# Altium PCB RaspberryHub.PcbDoc (part 2 of 2)
Units mm, origin at the board's own origin, x right, y up, seen from the top; angles counter-clockwise.
Board outline 210.48 x 102.43 mm, 2 copper layers (Top Layer, Bottom Layer); 158 components, 164 nets, 576 pads, 179 vias.
Unrouted connection lines stored in the file: 31.
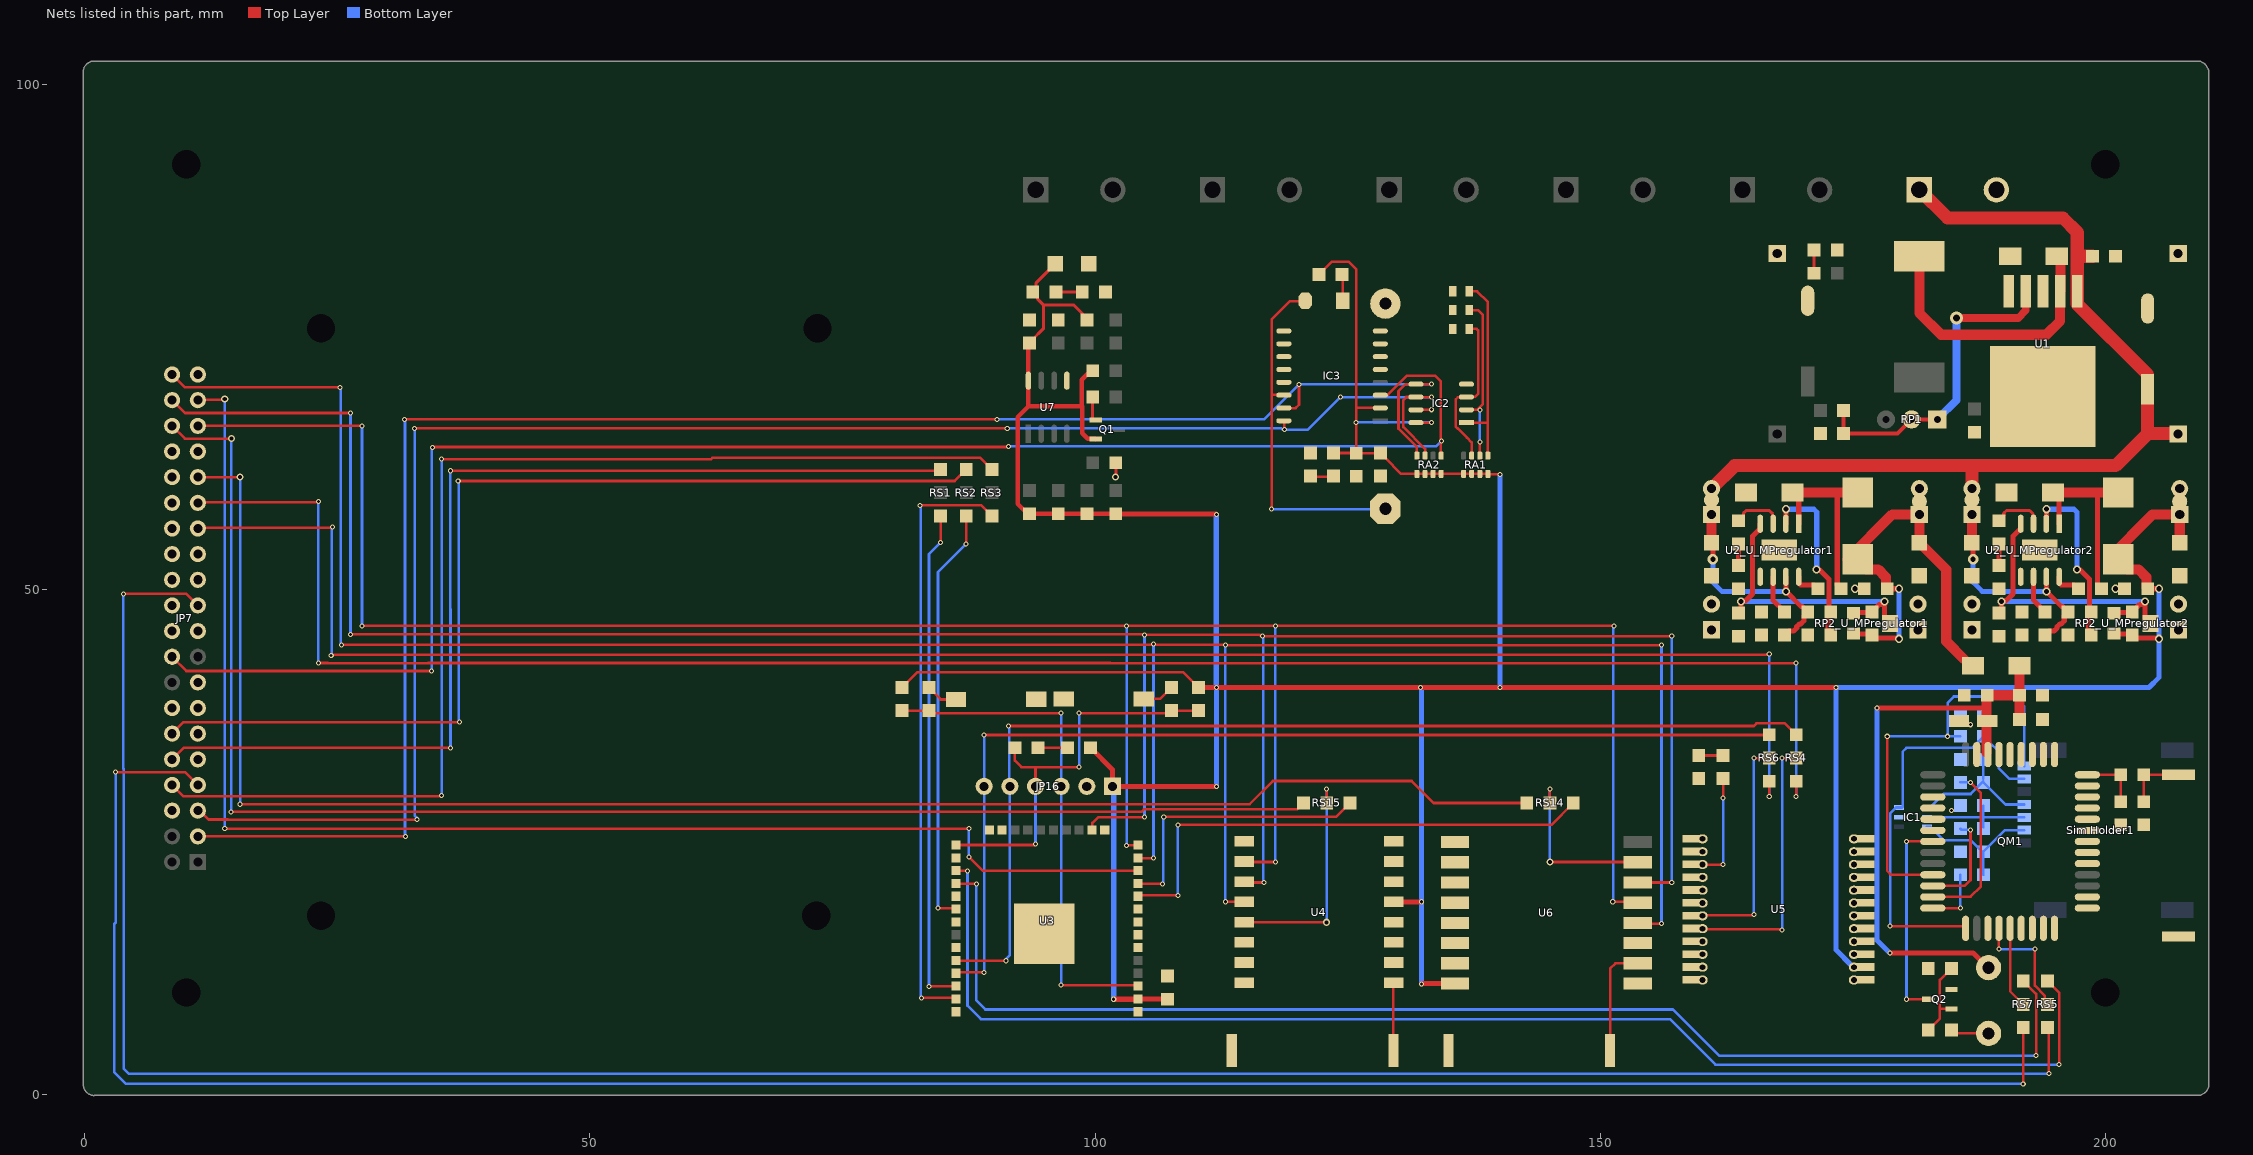
[diagram p2: the nets of this part, all layers, seen from the top]

## Via types
v1: diameter 0.5, hole 0.3, Top Layer to Bottom Layer, tented both sides, 131 vias
v2: diameter 0.9, hole 0.5, Top Layer to Bottom Layer, tented both sides, 20 vias
v3: diameter 0.8, hole 0.5, Top Layer to Bottom Layer, tented both sides, 16 vias
v4: diameter 0.7, hole 0.4, Top Layer to Bottom Layer, tented both sides, 9 vias
v5: diameter 1, hole 0.5, Top Layer to Bottom Layer, tented both sides, 2 vias
v6: diameter 1.27, hole 0.711, Top Layer to Bottom Layer, tented both sides, 1 vias

## Nets (pads, with @x,y where several pads share a name; then routed paths per layer and width w, separated by ;. In a path a pad name is that pad's centre, name@x,y a point inside that pad or via, vN(x,y) a via of type N, cw(c..) or ccw(c..) an arc to the next point about the centre after c; other vN are vias at no path point) (continued)
+12: C1.2 C6_U_MPregulator1.1 C6_U_MPregulator2.1 C7_U_MPregulator1.2 C7_U_MPregulator2.2 E1.1 JP3.1 JP8.1 JP12_U_MPregulator1.1 JP12_U_MPregulator1.2 JP12_U_MPregulator2.1 JP12_U_MPregulator2.2 R4_U_MPregulator1.2 R4_U_MPregulator2.2 TP1.1 TP3_U_MPregulator1.1 TP3_U_MPregulator2.1 U1.1 U2_U_MPregulator1.7 U2_U_MPregulator2.7 | length 142.4
  Top Layer w0.5: C6_U_MPregulator1.1@161.036,54.61 161.163,54.483 v5(161.163,52.959) ; C7_U_MPregulator1.2@168.275,45.466 168.66,45.851 169.168,45.851 169.476,46.159 169.476,46.287 169.74,46.551 169.868,46.551 170.176,46.859 170.176,47.367 R4_U_MPregulator1.2@170.561,47.752 170.049,48.264 169.922,48.264 v3(168.402,49.784) U2_U_MPregulator1.7@168.402,51.223 U2_U_MPregulator1.7@168.412,51.213 ; C6_U_MPregulator2.1@186.817,54.61 186.944,54.483 v5(186.944,52.959) ; C7_U_MPregulator2.2@194.056,45.466 194.441,45.851 194.949,45.851 195.257,46.159 195.257,46.287 195.521,46.551 195.649,46.551 195.957,46.859 195.957,47.367 R4_U_MPregulator2.2@196.342,47.752 195.83,48.264 195.703,48.264 v3(194.183,49.784) U2_U_MPregulator2.7@194.183,51.223 U2_U_MPregulator2.7@194.193,51.213
  Top Layer w1: C6_U_MPregulator1.1@161.036,54.61 JP12_U_MPregulator1.1@161.036,57.404 TP3_U_MPregulator1.1@161.036,58.835 JP12_U_MPregulator1.2@161.036,59.944 ; C6_U_MPregulator2.1@186.817,54.61 JP12_U_MPregulator2.1@186.817,57.404 TP3_U_MPregulator2.1@186.817,58.835 JP12_U_MPregulator2.2@186.817,59.944
  Top Layer w1.3: JP12_U_MPregulator1.2@161.036,59.944 163.322,62.23 176.022,62.23 186.817,62.23 ; JP3.1@181.61,89.535 184.404,86.741 195.834,86.741 197.251,85.324 197.251,81.411 U1.1@197.251,79.502 197.251,78.212 204.216,71.247 E1.1@204.216,69.787 204.216,65.405 ; JP12_U_MPregulator2.2@186.817,59.944 186.817,62.23 ; 197.251,82.962 C1.2@198.755,82.962 ; JP8.1@207.236,65.356 207.188,65.405 204.216,65.405 ; 186.817,62.23 201.041,62.23 204.216,65.405
  Bottom Layer w0.5: v5(161.163,52.959) 161.163,50.673 162.052,49.784 v3(168.402,49.784) ; v5(186.944,52.959) 186.944,50.673 187.833,49.784 v3(194.183,49.784)
ANA: E4.1 U6.10 | length 11.1
  Top Layer w0.254: E4.1@151.002,4.318 151.002,12.445 151.511,12.954 U6.10@153.736,12.954
ANT: E3.1 U4.9 | length 6.7
  Top Layer w0.254: E3.1@129.539,4.318 129.539,10.999 U4.9@129.574,11.034
CTS: QM1.22
DBG_RXD: QM1.38
DBG_TXD: QM1.39
DCD: QM1.21
DTR: QM1.19
EN: JP16.3 R10.1 R12.2 U3.3 | length 50.4
  Top Layer w0.254: R10.1@80.899,37.973 R12.2@83.566,37.973 83.823,37.716 v1(96.647,37.716) ; v1(96.647,10.795) 104.172,10.795 U3.3@104.265,10.702
  Bottom Layer w0.254: v1(96.647,10.795) JP16.3@96.647,30.48 v1(96.647,37.716)
ESP_DE: RS2.2 U3.30 | length 41.8
  Top Layer w0.254: v1(84.455,18.415) 86.138,18.415 U3.30@86.231,18.322 ; v1(87.249,54.483) RS2.2@87.249,57.252
  Bottom Layer w0.254: v1(84.455,18.415) 84.455,51.689 v1(87.249,54.483)
ESP_DI: RS3.2 U3.37 | length 59.8
  Top Layer w0.254: v1(82.677,58.293) 88.748,58.293 RS3.2@89.789,57.252 ; v1(82.804,9.525) 86.138,9.525 U3.37@86.231,9.432
  Bottom Layer w0.254: v1(82.677,58.293) 82.74,58.229 82.74,9.588 v1(82.804,9.525)
ESP_LORA_SS: RS15.2 U3.11 | length 28.1
  Top Layer w0.254: U3.11@104.265,20.862 104.299,20.828 v1(106.68,20.828) ; v1(106.807,27.432) 106.822,27.447 123.865,27.447 RS15.2@125.247,28.829
  Bottom Layer w0.254: v1(106.68,20.828) 106.743,20.892 106.743,27.368 v1(106.807,27.432)
ESP_RFM_SS: RS14.2 U3.10 | length 51
  Top Layer w0.254: U3.10@104.265,19.592 104.358,19.685 v1(108.204,19.685) ; v1(108.204,26.67) 145.186,26.67 RS14.2@147.345,28.829
  Bottom Layer w0.254: v1(108.204,19.685) v1(108.204,26.67)
ESP_RO: RS1.2 U3.36 | length 49.7
  Top Layer w0.254: v1(83.566,10.668) 86.197,10.668 U3.36@86.231,10.702 ; v1(84.709,54.61) RS1.2@84.709,57.252
  Bottom Layer w0.254: v1(83.566,10.668) 83.566,53.467 v1(84.709,54.61)
ESP_RXD0: JP16.5 RS4.2 U3.34 | length 107
  Top Layer w0.254: U3.34@86.231,13.242 86.265,13.208 v1(91.186,13.208) ; v1(91.44,36.449) 165.227,36.449 165.481,36.703 168.3,36.703 168.91,36.093 RS4.2@169.418,35.585
  Bottom Layer w0.254: v1(91.186,13.208) 91.186,13.383 91.567,13.764 JP16.5@91.567,30.48 91.504,30.543 91.504,36.386 v1(91.44,36.449)
ESP_RXD2: RS5.2 U3.27 | length 133.7
  Top Layer w0.254: U3.27@86.231,22.132 86.265,22.098 v1(87.376,22.098) ; RS5.2@194.31,11.201 195.453,10.058 v1(195.453,2.921)
  Bottom Layer w0.254: v1(87.376,22.098) 87.376,8.763 88.71,7.429 156.909,7.429 161.417,2.921 v1(195.453,2.921)
ESP_TXD0: JP16.6 RS6.2 U3.35 | length 104.1
  Top Layer w0.254: U3.35@86.231,11.972 86.324,12.065 v1(89.027,12.065) ; v1(89.027,35.56) 166.725,35.56 RS6.2@166.751,35.585
  Bottom Layer w0.254: v1(89.027,12.065) JP16.6@89.027,30.48 v1(89.027,35.56)
ESP_TXD2: RS7.2 U3.28 | length 128.7
  Top Layer w0.254: U3.28@86.231,20.862 86.265,20.828 v1(88.25,20.828) ; RS7.2@191.897,11.201 193.167,9.931 v1(193.167,3.81)
  Bottom Layer w0.254: v1(88.25,20.828) 88.25,9.286 89.154,8.382 157.226,8.382 161.798,3.81 v1(193.167,3.81)
GND: A1.1 A2.1 A3.1 Battery1.2 C1.1 C2.1 C4_U_MPregulator1.1 C4_U_MPregulator2.1 C5_U_MPregulator1.1 C5_U_MPregulator2.1 C6_U_MPregulator1.2 C6_U_MPregulator2.2 C7_U_MPregulator1.1 C7_U_MPregulator2.1 C9.2 C10.2 C11.2 C12.2 C13.1 C14.1 C15.1 C16.1 C17.1 C19.1 C20.1 C21.1 C22.1 C23.2 C24.1 D1_U_MPregulator1.1 D1_U_MPregulator2.1 E1.2 E2.2 E3.2 E4.2 E5.2 IC1.2 IC2.4 IC2.7 IC3.5 IC3.6 IC3.7 IC3.8 IC3.9 IC3.10 IC3.11 IC3.12 IC3.13 JP3.2 JP7.6 JP7.9 JP7.14 JP7.20 JP7.25 JP7.30 JP7.34 JP7.39 JP10.1 JP11.1 JP14_U_MPregulator1.1 JP14_U_MPregulator1.2 JP14_U_MPregulator2.1 JP14_U_MPregulator2.2 JP15_U_MPregulator1.1 JP15_U_MPregulator1.2 JP15_U_MPregulator2.1 JP15_U_MPregulator2.2 JP16.2 LED1.2 LED3.2 LED4.2 Power1.2 Q2.2 QM1.27 QM1.34 QM1.36 QM1.37 QM1.40 QM1.41 R3.1 R5_U_MPregulator1.1 R5_U_MPregulator2.1 R7_U_MPregulator1.2 R7_U_MPregulator2.2 R8_U_MPregulator1.1 R8_U_MPregulator2.1 R9_U_MPregulator1.1 R9_U_MPregulator2.1 R20.1 R26.1 R28.1 SW1.2 SW2.2 U1.3 U1.5 U2_U_MPregulator1.5 U2_U_MPregulator1.9 U2_U_MPregulator2.5 U2_U_MPregulator2.9 U3.1 U3.15 U3.38 U3.39 U4.1 U4.8 U4.10 U5.A1 U6.9 U6.11 U7.5 VD1.1 | length 3
  Top Layer w0.254: IC2.7@131.771,67.752 131.776,67.757 133.316,67.757 v1(133.321,67.762)
  Top Layer w0.3: v4(102.015,61.114) 102.015,61.168 102.058,61.211 R26.1@102.058,62.514
  other v1: 184.785,28.067 186.69,36.576
  other v3: 175.242,50.038 201.023,50.038
IO0: JP16.4 R11.1 R13.2 R14.2 U3.25 | length 40.7
  Top Layer w0.254: U3.25@86.231,24.672 94.014,24.672 v1(94.107,24.765) ; R14.2@92.075,34.29 92.075,33.02 92.71,32.385 94.107,32.385 ; JP16.4@94.107,30.48 94.107,32.385 ; v1(98.425,32.385) 94.107,32.385 ; v1(98.425,37.719) 107.315,37.719 R13.2@107.569,37.973 R11.1@110.236,37.973
  Bottom Layer w0.254: v1(94.107,24.765) JP16.4@94.107,30.48 ; v1(98.425,32.385) v1(98.425,37.719)
LORA_RESET: U4.6
LORA_SS: RS15.3 U4.5 | length 22.4
  Top Layer w0.254: U4.5@114.774,17.034 114.79,17.018 v4(122.936,17.018) ; RS15.3@122.936,29.21 v1(122.936,30.226)
  Bottom Layer w0.254: v4(122.936,17.018) v1(122.936,30.226)
MIC+: QM1.3
MIC-: QM1.4
MP_VOUT+_U_MPregulator1: C4_U_MPregulator1.2 C5_U_MPregulator1.2 D2.1 JP13_U_MPregulator1.1 JP13_U_MPregulator1.2 L2_U_MPregulator1.2 R6_U_MPregulator1.2 RP2_U_MPregulator1.2 TP4_U_MPregulator1.1 | length 44.5
  Top Layer w0.5: RP2_U_MPregulator1.2@175.111,45.609 175.182,45.538 176.839,45.538 177.235,45.142 179.521,45.142 v3(179.578,45.085) ; C4_U_MPregulator1.2@178.435,50.038 v3(179.578,50.038) ; D2.1@186.065,43.043 186.305,43.043 D2.1@186.93,42.418
  Top Layer w1: L2_U_MPregulator1.2@174.498,52.959 178.943,57.404 JP13_U_MPregulator1.1@181.61,57.404 ; L2_U_MPregulator1.2@175.387,52.959 176.387,51.959 177.53,51.959 178.3,51.189 178.3,50.173 C4_U_MPregulator1.2@178.435,50.038 ; JP13_U_MPregulator1.2@181.61,59.944 TP4_U_MPregulator1.1@181.61,58.674 JP13_U_MPregulator1.1@181.61,57.404 ; D2.1@186.065,43.043 184.277,44.831 184.277,51.943 181.872,54.348 C5_U_MPregulator1.2@181.61,54.61 JP13_U_MPregulator1.1@181.61,57.404
  Bottom Layer w0.5: v3(179.578,45.085) v3(179.578,50.038)
MP_VOUT+_U_MPregulator2: C4_U_MPregulator2.2 C5_U_MPregulator2.2 C9.1 C10.1 C11.1 C23.1 C24.2 IC2.8 IC3.2 JP13_U_MPregulator2.1 JP13_U_MPregulator2.2 JP16.1 L2_U_MPregulator2.2 LED2.1 Q1.2 R6_U_MPregulator2.2 R10.2 R11.2 R16.2 R17.2 R18.2 R19.2 R22.2 R23.1 R24.1 R33.2 R34.2 RA1.5 RA1.6 RA1.7 RA1.8 RA2.5 RA2.6 RA2.7 RA2.8 RP2_U_MPregulator2.2 TP4_U_MPregulator2.1 U3.2 U4.13 U5.A2 U6.8 U7.8 | length 428.7
  Top Layer w0.254: R10.2@80.899,40.259 82.423,41.783 108.712,41.783 R11.2@110.236,40.259 ; R33.2@122.281,81.26 123.444,82.423 125.095,82.423 125.846,81.672 125.846,67.937 ; R34.2@123.621,63.48 C23.1@126.396,63.48 ; C23.1@125.871,63.455 125.846,63.48 125.846,65.013 125.844,65.015 125.844,65.659 125.846,65.661 v1(125.846,66.512) 125.846,67.937 ; C23.1@126.396,63.522 126.463,63.455 128.271,63.455 128.296,63.455 128.716,63.036 128.716,63.011 130.314,61.412 RA2.5@131.871,61.412 RA2.6@132.671,61.412 RA2.7@133.471,61.412 RA2.8@134.271,61.412 RA1.5@136.496,61.412 RA1.6@137.296,61.412 RA1.7@138.096,61.412 RA1.8@138.896,61.412 138.931,61.376 140.046,61.376 v1(140.081,61.341) ; IC3.2@128.246,67.937 125.846,67.937 ; IC2.8@131.303,66.482 IC2.8@131.771,66.482 131.78,66.491 133.235,66.491 v1@133.244,66.5
  Top Layer w0.3: C10.1@93.71,74.619 94.915,75.824 94.915,78.114 ; C11.1@96.064,82.214 94.173,80.323 94.173,79.75 R24.1@93.837,79.414 94.322,78.929 94.322,78.707 94.915,78.114 ; R22.2@98.862,77.167 97.915,78.114 94.915,78.114
  Top Layer w0.45: C10.1@93.515,74.371 93.41,74.266 U7.8@93.41,70.639 93.41,68.119 93.415,68.114 ; 98.737,68.114 98.737,65.42 99.269,64.889 100.047,64.889 Q1.2@100.072,64.864 ; R23.1@99.772,71.814 98.697,70.739 98.697,68.114 93.415,68.114 ; R19.2@101.715,57.471 R18.2@99.205,57.471 R17.2@96.36,57.471 R16.2@93.515,57.471 93.315,57.471 92.33,58.456 92.33,67.029 93.415,68.114
  Top Layer w0.5: LED2.1@99.568,34.29 101.727,32.131 JP16.1@101.727,30.48 v1(112.014,30.48) ; v1(101.854,9.398) 104.231,9.398 U3.2@104.265,9.432 107.154,9.432 C9.1@107.188,9.398 ; R19.2@102.051,57.471 102.084,57.438 111.98,57.438 v1(112.014,57.404) ; R11.2@110.236,40.259 v1(112.014,40.259) v1(132.235,40.259) v1(140.081,40.259) v1(173.355,40.259) ; U4.13@129.574,19.034 129.582,19.042 132.326,19.042 v1(132.334,19.05) ; v1(132.334,10.922) 132.366,10.954 U6.8@135.636,10.954 ; RP2_U_MPregulator2.2@200.892,45.609 200.963,45.538 202.62,45.538 R6_U_MPregulator2.2@202.692,45.466 203.016,45.142 205.302,45.142 v3(205.359,45.085) ; C4_U_MPregulator2.2@204.216,50.038 v3(205.359,50.038)
  Top Layer w1: L2_U_MPregulator2.2@200.279,52.959 204.724,57.404 JP13_U_MPregulator2.1@207.391,57.404 ; L2_U_MPregulator2.2@201.168,52.959 202.168,51.959 203.311,51.959 204.081,51.189 204.081,50.173 C4_U_MPregulator2.2@204.216,50.038 ; C5_U_MPregulator2.2@207.391,54.61 JP13_U_MPregulator2.1@207.391,57.404 ; JP13_U_MPregulator2.2@207.391,59.944 JP13_U_MPregulator2.1@207.391,57.404
  Bottom Layer w0.254: v1(125.846,66.512) 125.852,66.506 133.315,66.506 v1(133.321,66.5)
  Bottom Layer w0.5: JP16.1@101.727,30.48 101.854,30.353 v1(101.854,9.398) ; v1(112.014,30.48) 112.014,40.433 112.003,40.444 112.003,57.393 v1(112.014,57.404) ; v1(132.334,10.922) v1(132.334,19.05) v1@132.334,40.259 ; v1(140.081,40.259) v1@140.081,61.281 ; U5.A2@175.142,12.573 175.015,12.7 174.952,12.7 173.355,14.297 v1(173.355,40.259) 204.343,40.259 205.359,41.275 v3(205.359,45.085) v3(205.359,50.038)
NetA1_2: A1.2 IC2.1 RA1.1 | length 19.8
  Top Layer w0.254: IC2.1@136.771,66.482 138.901,66.482 ; A1.2@137.049,79.487 137.821,79.487 138.896,78.412 138.896,66.952 138.901,66.947 138.901,66.482 ; RA1.1@138.901,63.009 138.901,66.482
NetA2_2: A2.2 IC2.2 RA1.2 | length 16.8
  Top Layer w0.254: IC2.2@136.771,67.752 137.836,67.752 138.396,68.312 138.396,77.137 137.909,77.624 A2.2@137.049,77.624 ; RA1.2@138.096,63.212 v1(138.096,64.562)
  Bottom Layer w0.254: v1(138.096,64.562) 138.108,64.574 138.108,67.749 v1@138.121,67.762
  other v1: 138.096,67.737
NetA3_2: A3.2 IC2.3 RA1.3 | length 15.9
  Top Layer w0.254: A3.2@137.071,75.762 137.79,75.762 137.939,75.613 137.939,69.33 137.643,69.034 136.783,69.034 136.745,68.996 135.913,68.996 135.694,68.777 135.694,66.097 135.886,65.905 135.917,65.905 136.81,65.012 136.821,65.012 137.296,64.537 RA1.3@137.296,63.212
NetBattery1_1: Battery1.1 IC3.14 VD2.2 | length 35.7
  Top Layer w0.254: v1(117.475,57.912) 117.496,57.933 117.496,69.237 ; IC3.14@118.696,69.207 118.673,69.23 117.503,69.23 117.496,69.237 ; VD2.2@121.141,78.512 119.296,78.512 117.496,76.712 117.496,69.237
  Bottom Layer w0.254: v1(117.475,57.912) 128.699,57.912 Battery1.1@128.746,57.959
NetC3_U_MPregulator1_1: C3_U_MPregulator1.1 U2_U_MPregulator1.8 | length 2.8
  Top Layer w0.5: U2_U_MPregulator1.8@169.672,51.223 169.672,50.612 169.861,50.423 171.192,50.423 C3_U_MPregulator1.1@171.577,50.038
NetC3_U_MPregulator1_2: C3_U_MPregulator1.2 D1_U_MPregulator1.2 L2_U_MPregulator1.1 U2_U_MPregulator1.1 | length 18.5
  Top Layer w0.5: D1_U_MPregulator1.2@169.051,59.563 169.672,58.942 U2_U_MPregulator1.1@169.672,56.473 ; 173.482,59.563 173.482,50.419 C3_U_MPregulator1.2@173.863,50.038
  Top Layer w1: D1_U_MPregulator1.2@169.051,59.563 173.482,59.563 L2_U_MPregulator1.1@174.498,59.563
NetC3_U_MPregulator2_1: C3_U_MPregulator2.1 U2_U_MPregulator2.8 | length 2.8
  Top Layer w0.5: U2_U_MPregulator2.8@195.453,51.223 195.453,50.612 195.642,50.423 196.973,50.423 C3_U_MPregulator2.1@197.358,50.038
NetC3_U_MPregulator2_2: C3_U_MPregulator2.2 D1_U_MPregulator2.2 L2_U_MPregulator2.1 U2_U_MPregulator2.1 | length 18.5
  Top Layer w0.5: D1_U_MPregulator2.2@194.832,59.563 195.453,58.942 U2_U_MPregulator2.1@195.453,56.473 ; 199.263,59.563 199.263,50.419 C3_U_MPregulator2.2@199.644,50.038
  Top Layer w1: D1_U_MPregulator2.2@194.832,59.563 199.263,59.563 L2_U_MPregulator2.1@200.279,59.563
NetC8_U_MPregulator1_1: C8_U_MPregulator1.1 U2_U_MPregulator1.3 | length 5.1
  Top Layer w0.3: C8_U_MPregulator1.1@163.703,56.769 164.188,57.254 164.188,57.508 164.465,57.785 166.751,57.785 167.084,57.452 167.084,56.521 U2_U_MPregulator1.3@167.132,56.473
NetC8_U_MPregulator1_2: C8_U_MPregulator1.2 R9_U_MPregulator1.2 | length 2.2
  Top Layer w0.5: R9_U_MPregulator1.2@163.703,52.324 C8_U_MPregulator1.2@163.703,54.483
NetC8_U_MPregulator2_1: C8_U_MPregulator2.1 U2_U_MPregulator2.3 | length 5.1
  Top Layer w0.3: C8_U_MPregulator2.1@189.484,56.769 189.969,57.254 189.969,57.508 190.246,57.785 192.532,57.785 192.865,57.452 192.865,56.521 U2_U_MPregulator2.3@192.913,56.473
NetC8_U_MPregulator2_2: C8_U_MPregulator2.2 R9_U_MPregulator2.2 | length 2.2
  Top Layer w0.5: R9_U_MPregulator2.2@189.484,52.324 C8_U_MPregulator2.2@189.484,54.483
NetC17_2: C17.2 E5.1 R29.2 | length 6.1
  Top Layer w0.254: C17.2@203.835,28.956 R29.2@203.835,31.623 E5.1@207.264,31.623
NetC19_2: "Sim Holder1.C7" C19.2 IC1.5 R31.2 | length 11.8
  Bottom Layer w0.254: IC1.5@182.372,27.432 187.96,27.432 ; R31.2@187.96,26.416 187.96,27.432 ; C19.2@187.96,28.575 187.96,27.432 ; 191.982,27.407 187.985,27.407 187.96,27.432
NetC20_2: "Sim Holder1.C2" C20.2 IC1.4 R30.2 | length 14
  Bottom Layer w0.254: IC1.4@182.372,28.382 182.47,28.48 182.785,28.48 184.023,29.718 186.69,29.718 R30.2@187.96,30.988 ; R30.2@187.96,30.861 190.144,28.677 191.982,28.677 ; R30.2@187.96,31.242 187.96,33.401 C20.2@187.96,33.655
NetC22_2: "Sim Holder1.C3" C22.2 IC1.6 R32.2 | length 13.7
  Bottom Layer w0.254: IC1.6@182.372,26.482 182.647,26.482 183.983,25.146 186.69,25.146 187.96,23.876 R32.2@187.96,21.717 ; C22.2@187.96,24.003 190.094,26.137 191.982,26.137
NetL1_1: L1.1 U1.2 VD1.2 | length 27.4
  Top Layer w1: L1.1@181.61,82.962 181.61,77.343 183.769,75.184 194.183,75.184 195.551,76.552 U1.2@195.551,79.502 195.594,79.545 VD1.2@195.594,82.931
NetLED1_1: LED1.1 R2.1 | length 2.3
  Top Layer w0.3: R2.1@171.196,81.28 LED1.1@171.196,83.566
NetLED2_2: LED2.2 R14.1 | length 2.9
  Top Layer w0.254: R14.1@94.361,34.29 LED2.2@97.282,34.29
NetLED3_1: LED3.1 R15.2 | length 2.4
  Top Layer w0.254: LED3.1@159.766,33.528 R15.2@162.179,33.528
NetLED4_1: LED4.1 R24.2 | length 2.6
  Top Layer w0.3: R24.2@96.123,79.414 LED4.1@98.737,79.414
NetLIGHT: QM1.16
NetPower1_1: Power1.1 R34.1 | length 2.2
  Top Layer w0.254: Power1.1@121.321,61.144 R34.1@123.479,61.144
  Top Layer w0.381: R34.1@123.479,61.144 R34.1@123.529,61.194
NetQ1_1: Q1.1 R25.2 | length 2.5
  Top Layer w0.3: R25.2@99.772,69.014 99.772,66.864 99.872,66.764 Q1.1@100.072,66.764
NetQ2_1: Q2.1 R27.2 R28.2 | length 8.2
  Top Layer w0.254: R27.2@182.499,6.35 183.642,7.493 183.642,8.509 ; Q2.1@184.785,8.448 183.703,8.448 183.642,8.509 ; R28.2@184.785,12.446 183.642,11.303 183.642,8.509
NetR1_1: R1.1 R3.2 RP1.1 RP1.ADJ U1.4 | length 32
  Top Layer w0.4: R1.1@174.117,67.691 R3.2@174.117,65.405 179.451,65.405 RP1.ADJ@180.848,66.802 RP1.1@183.388,66.802
  Top Layer w0.762: v6(185.293,76.835) 191.389,76.835 192.151,77.597 U1.4@192.151,79.502
  Bottom Layer w0.762: RP1.1@183.388,66.802 185.293,68.707 v6(185.293,76.835)
NetR4_U_MPregulator1_1: R4_U_MPregulator1.1 R7_U_MPregulator1.1 U2_U_MPregulator1.2 | length 17.7
  Top Layer w0.5: R7_U_MPregulator1.1@172.847,45.466 172.593,45.72 172.593,47.498 R4_U_MPregulator1.1@172.847,47.752
  Top Layer w0.508: U2_U_MPregulator1.2@168.402,56.473 v3(168.402,57.912) ; v3(171.45,51.943) 171.506,51.887 171.76,51.887 172.666,50.981 172.666,47.933 R4_U_MPregulator1.1@172.847,47.752
  Bottom Layer w0.508: v3(168.402,57.912) 171.152,57.912 171.45,57.614 v3(171.45,51.943)
NetR4_U_MPregulator2_1: R4_U_MPregulator2.1 R7_U_MPregulator2.1 U2_U_MPregulator2.2 | length 17.7
  Top Layer w0.5: R7_U_MPregulator2.1@198.628,45.466 198.374,45.72 198.374,47.498 R4_U_MPregulator2.1@198.628,47.752
  Top Layer w0.508: U2_U_MPregulator2.2@194.183,56.473 v3(194.183,57.912) ; v3(197.231,51.943) 197.287,51.887 197.541,51.887 198.447,50.981 198.447,47.933 R4_U_MPregulator2.1@198.628,47.752
  Bottom Layer w0.508: v3(194.183,57.912) 196.933,57.912 197.231,57.614 v3(197.231,51.943)
NetR5_U_MPregulator1_2: R5_U_MPregulator1.2 R6_U_MPregulator1.1 RP2_U_MPregulator1.1 RP2_U_MPregulator1.ADJ U2_U_MPregulator1.4 | length 30.1
  Top Layer w0.5: R5_U_MPregulator1.2@163.703,47.625 163.957,47.879 v3(163.957,48.768) 164.014,48.825 164.397,48.825 165.1,49.528 165.1,55.245 165.693,55.838 165.839,55.838 165.862,55.862 U2_U_MPregulator1.4@165.862,56.473 ; RP2_U_MPregulator1.1@175.111,47.609 175.183,47.681 176.839,47.681 177.637,48.478 v3@178.181,48.478 ; v3(178.181,48.768) v3@178.181,48.478 ; RP2_U_MPregulator1.ADJ@178.711,46.609 178.181,47.139 v3@178.181,48.478
  Bottom Layer w0.5: v3(163.957,48.768) v3(178.181,48.768)
NetR5_U_MPregulator2_2: R5_U_MPregulator2.2 R6_U_MPregulator2.1 RP2_U_MPregulator2.1 RP2_U_MPregulator2.ADJ U2_U_MPregulator2.4 | length 30.1
  Top Layer w0.5: R5_U_MPregulator2.2@189.484,47.625 189.738,47.879 v3(189.738,48.768) 189.795,48.825 190.178,48.825 190.881,49.528 190.881,55.245 191.474,55.838 191.62,55.838 191.643,55.862 U2_U_MPregulator2.4@191.643,56.473 ; RP2_U_MPregulator2.1@200.892,47.609 200.964,47.681 202.62,47.681 203.418,48.478 v3@203.962,48.478 ; v3(203.962,48.768) v3@203.962,48.478 ; RP2_U_MPregulator2.ADJ@204.492,46.609 203.962,47.139 v3@203.962,48.478
  Bottom Layer w0.5: v3(189.738,48.768) v3(203.962,48.768)
NetR8_U_MPregulator1_2: R8_U_MPregulator1.2 U2_U_MPregulator1.6 | length 3.9
  Top Layer w0.5: U2_U_MPregulator1.6@167.132,51.223 167.132,48.895 R8_U_MPregulator1.2@168.275,47.752
NetR8_U_MPregulator2_2: R8_U_MPregulator2.2 U2_U_MPregulator2.6 | length 3.9
  Top Layer w0.5: U2_U_MPregulator2.6@192.913,51.223 192.913,48.895 R8_U_MPregulator2.2@194.056,47.752
NetR12_1: R12.1 SW1.1 | length 3.2
  Top Layer w0.254: R12.1@83.566,40.259 84.749,39.076 SW1.1@86.242,39.076
NetR13_1: R13.1 SW2.1 | length 3.2
  Top Layer w0.254: SW2.1@104.834,39.136 106.446,39.136 R13.1@107.569,40.259
NetR33_1: R33.1 VD2.1 | length 3
  Top Layer w0.254: VD2.1@124.526,78.562 R33.1@124.526,81.525
NetU3_6: U3.6
NetU3_7: U3.7
NetU3_8: U3.8
NetU3_9: U3.9
NetU3_23: U3.23
NetU3_24: U3.24
NetU3_26: U3.26
NetU3_29: U3.29
NetU3_31: U3.31
NetU3_33: U3.33
NetU4_7: U4.7
NetU4_11: U4.11
NetU4_12: U4.12
NetU4_14: U4.14
NetU4_15: U4.15
NetU4_16: U4.16
NetU5_A3: U5.A3
NetU5_A4: U5.A4
NetU5_A5: U5.A5
NetU5_A6: U5.A6
NetU5_A7: U5.A7
NetU5_A8: U5.A8
NetU5_A9: U5.A9
NetU5_A10: U5.A10
NetU5_A11: U5.A11
NetU5_A12: U5.A12
NetU5_B2: U5.B2
NetU5_B3: U5.B3
NetU5_B4: U5.B4
NetU5_B7: U5.B7
NetU5_B8: U5.B8
NetU5_B9: U5.B9
NetU5_B11: U5.B11
NetU5_B12: U5.B12
NetU6_2: U6.2
NetU6_3: U6.3
NetU6_4: U6.4
NetU6_5: U6.5
NetU6_6: U6.6
NetU6_7: U6.7
ON/OFF: R27.1 SW3.2 | length 3.8
  Top Layer w0.254: R27.1@184.785,6.35 185.114,6.021 SW3.2@188.468,6.021
P1.0: R15.1 U5.B10 | length 10.6
  Top Layer w0.254: U5.B10@160.147,22.733 v1(162.179,22.733) ; R15.1@162.052,31.242 162.179,31.115 v1(162.179,29.337)
  Bottom Layer w0.254: v1(162.179,22.733) v1(162.179,29.337)
PCM_CLK: QM1.30
PCM_IN: QM1.32
PCM_OUT: QM1.33
PCM_SYNC: QM1.31
PWR: Q2.3 QM1.7 | length 20.4
  Top Layer w0.254: v1(180.34,9.398) Q2.3@182.499,9.398 ; v1(180.34,25.019) v1(180.34,25.019) 182.946,25.02 QM1.7@182.947,25.021
  Bottom Layer w0.254: v1(180.34,9.398) v1(180.34,25.019)
QUECTEL_RXD: QM1.18 RS7.3 | length 8.1
  Top Layer w0.254: QM1.18@190.597,16.421 190.597,10.19 RS7.3@191.897,8.89
QUECTEL_TXD: QM1.17 RS5.3 | length 11.6
  Top Layer w0.254: v1(189.484,14.351) 189.49,14.357 189.49,16.415 QM1.17@189.497,16.421 ; v1(193.04,14.351) 193.04,10.739 194.022,9.757 194.022,9.178 RS5.3@194.31,8.89
  Bottom Layer w0.254: v1(189.484,14.351) v1(193.04,14.351)
RAS_DE: JP7.12 RS2.1 | length 103.6
  Top Layer w0.254: JP7.12@8.636,35.687 9.779,36.83 v1(37.084,36.83) ; v1(36.957,60.706) 86.106,60.706 RS2.1@87.249,61.849
  Bottom Layer w0.254: v1(36.957,60.706) 37.02,60.642 37.02,36.893 v1(37.084,36.83)
RAS_DI: JP7.8 RS3.1 | length 115.5
  Top Layer w0.254: JP7.8@8.636,30.607 9.763,29.48 35.195,29.48 v1(35.306,29.591) ; v1(35.306,62.865) 62,62.865 62.127,62.992 88.646,62.992 RS3.1@89.789,61.849
  Bottom Layer w0.254: v1(35.306,29.591) v1(35.306,62.865)
RAS_ESP_SS: JP7.37 U3.12 | length 139
  Top Layer w0.254: JP7.37@11.176,68.707 11.239,68.77 13.779,68.77 v4(13.843,68.834) ; v1(13.843,26.289) v1(87.503,26.289) ; v1(87.503,23.495) 88.866,22.132 U3.12@104.265,22.132
  Bottom Layer w0.254: v1(13.843,26.289) v4(13.843,68.834) ; v1(87.503,23.495) v1(87.503,26.289)
RAS_GPIO7: JP7.26
RAS_GPIO10: JP7.19
RAS_GPIO11: JP7.23
RAS_GPIO17: JP7.11
RAS_GPIO22: JP7.15
RAS_GPIO24: IC3.3 JP7.18 RA2.1 | length 162.9
  Top Layer w0.254: JP7.18@8.636,43.307 10.048,41.895 34.275,41.895 v1(34.29,41.91) ; v1(34.417,64.008) 34.48,64.072 91.376,64.072 v1(91.44,64.135) ; IC3.3@128.246,69.207 128.293,69.254 129.013,69.254 130.896,71.137 133.646,71.137 134.246,70.537 134.246,64.662 134.246,63.237 RA2.1@134.271,63.212
  Bottom Layer w0.254: v1(34.29,41.91) 34.353,41.974 34.353,63.944 v1(34.417,64.008) ; v1(91.44,64.135) 133.769,64.135 v1(134.296,64.662)
RAS_GPIO25: JP7.22
RAS_GPIO27: JP7.13
RAS_LORA_SS: JP7.36 RS15.1 | length 149.9
  Top Layer w0.254: JP7.36@8.636,66.167 9.906,64.897 v4(14.52,64.897) ; v1(14.478,27.94) 104.308,27.94 104.321,27.953 104.607,27.953 104.848,28.194 120.015,28.194 RS15.1@120.65,28.829
  Bottom Layer w0.254: v1(14.478,27.94) 14.499,27.961 14.499,64.876 v4(14.52,64.897)
RAS_MISO: JP7.35 U3.14 U4.2 U6.13 | length 239.2
  Top Layer w0.254: JP7.35@11.176,66.167 v1(27.432,66.167) ; v1(27.432,46.355) v1(103.124,46.355) v1(117.856,46.355) v1(151.384,46.355) ; v1(103.124,24.638) 104.231,24.638 U3.14@104.265,24.672 ; U4.2@114.774,23.034 114.821,22.987 v1(117.856,22.987) ; v1(151.257,19.05) 153.64,19.05 U6.13@153.736,18.954
  Bottom Layer w0.254: v1(27.432,46.355) v1(27.432,66.167) ; v1(103.124,24.638) v1(103.124,46.355) ; v1(117.856,22.987) v1(117.856,46.355) ; v1(151.257,19.05) 151.32,19.113 151.32,46.291 v1(151.384,46.355)
RAS_MOSI: JP7.38 U3.16 U4.3 U6.14 | length 249.1
  Top Layer w0.254: JP7.38@8.636,68.707 9.906,67.437 v1(26.289,67.437) ; v1(26.289,45.529) 104.838,45.529 v1(104.902,45.466) 116.284,45.466 v1@116.411,45.339 ; U3.16@99.695,26.162 99.742,26.209 99.742,26.844 100.33,27.432 v1(104.902,27.432) ; U4.3@114.774,21.034 114.853,20.955 v1(116.713,20.955) ; v1(116.586,45.339) v1(157.099,45.339) ; U6.14@153.736,20.954 U6.14@153.736,20.954 v1(157.099,20.955)
  Bottom Layer w0.254: v1(26.289,45.529) v1(26.289,67.437) ; v1(104.902,27.432) v1(104.902,45.466) ; v1(116.586,45.339) 116.649,45.276 116.649,21.018 v1(116.713,20.955) ; v1(157.099,20.955) v1(157.099,45.339)
RAS_RFM_SS: JP7.31 RS14.1 | length 165.8
  Top Layer w0.254: JP7.31@11.176,61.087 v4(15.367,61.087) ; v1(15.367,28.702) 115.316,28.702 117.617,31.003 131.34,31.003 133.514,28.829 RS14.1@142.748,28.829
  Bottom Layer w0.254: v1(15.367,28.702) v4(15.367,61.087)
RAS_RO: JP7.10 RS1.1 | length 104
  Top Layer w0.254: JP7.10@8.636,33.147 9.779,34.29 v1(36.195,34.29) ; v1(36.195,61.722) 84.582,61.722 RS1.1@84.709,61.849
  Bottom Layer w0.254: v1(36.195,34.29) 36.195,47.998 36.18,48.014 36.18,61.707 v1(36.195,61.722)
RAS_RXD1: JP7.29 RS4.1 | length 189.1
  Top Layer w0.254: JP7.29@11.176,58.547 11.239,58.61 23.05,58.61 v1(23.114,58.674) ; v1(23.114,42.672) 23.129,42.687 24.032,42.687 24.062,42.657 33.938,42.657 33.968,42.687 101.536,42.687 101.551,42.672 v1(169.418,42.672) ; v1(169.418,29.464) RS4.1@169.418,30.988
  Bottom Layer w0.254: v1(23.114,42.672) v1(23.114,58.674) ; v1(169.418,29.464) v1(169.418,42.672)
RAS_RXD2: JP7.21 RS5.1 | length 250.3
  Top Layer w0.254: v1(3.81,49.53) 10.033,49.53 JP7.21@11.176,48.387 ; RS5.1@194.31,6.604 194.437,6.477 v1(194.437,2.032)
  Bottom Layer w0.254: v1(3.81,49.53) 3.81,32.214 3.825,32.199 3.825,2.525 4.318,2.032 v1(194.437,2.032)
RAS_RXD3: JP7.28
RAS_RXD4: JP7.33
RAS_SCK: JP7.40 U3.13 U4.4 U6.12 | length 253.5
  Top Layer w0.254: JP7.40@8.636,71.247 9.906,69.977 v1(25.273,69.977) ; v1(25.4,44.45) 25.463,44.514 105.727,44.514 v1(105.791,44.577) 105.855,44.514 112.84,44.514 v1(112.903,44.45) v1(156.083,44.45) ; U3.13@104.265,23.402 104.299,23.368 v1(105.791,23.368) ; v1(112.903,19.05) 114.758,19.05 U4.4@114.774,19.034 ; U6.12@153.736,16.954 153.799,16.891 v1(156.083,16.891)
  Bottom Layer w0.254: v1(25.273,69.977) 25.336,69.913 25.336,44.514 v1(25.4,44.45) ; v1(105.791,23.368) v1(105.791,44.577) ; v1(112.903,19.05) v1(112.903,44.45) ; v1(156.083,16.891) v1(156.083,44.45)
RAS_SCL: IC2.6 IC3.16 JP7.5 RA2.3 | length 173.3
  Top Layer w0.254: JP7.5@11.176,28.067 11.378,28.067 12.252,27.193 14.165,27.193 14.18,27.178 v1(32.893,27.178) ; v1(32.639,65.913) v1(91.313,65.913) ; IC3.16@118.696,66.667 118.745,66.618 v1(118.745,65.786) ; RA2.3@132.684,63.212 132.684,63.891 130.528,66.047 130.528,68.719 130.831,69.022 IC2.6@131.771,69.022 131.776,69.017 133.316,69.017 v1(133.321,69.012)
  Top Layer w0.381: v1@124.258,69.049 v1(124.296,69.012)
  Bottom Layer w0.254: v1(32.639,65.913) 32.639,27.607 32.893,27.353 v1(32.893,27.178) ; v1(91.313,65.913) 118.443,65.913 118.57,65.786 121.07,65.786 v1(124.296,69.012) v1(133.321,69.012)
RAS_SDA: IC2.5 IC3.15 JP7.3 RA2.4 | length 179.4
  Top Layer w0.254: JP7.3@11.176,25.527 v1(31.75,25.527) ; v1(31.623,66.802) v1(90.297,66.802) ; IC3.15@118.696,67.937 118.719,67.914 119.857,67.914 120.196,68.253 v1(120.196,70.262) ; RA2.4@131.871,63.212 131.871,64.062 130.048,65.885 130.048,69.614 130.703,70.269 131.748,70.269 IC2.5@131.771,70.292 131.781,70.302 133.311,70.302 v1(133.321,70.312)
  Bottom Layer w0.254: v1(31.623,66.802) 31.686,66.739 31.686,25.59 v1(31.75,25.527) ; v1(90.297,66.802) 116.736,66.802 120.233,70.299 133.308,70.299 v1(133.321,70.312)
RAS_TXD1: JP7.27 RS6.1 | length 184.2
  Top Layer w0.254: JP7.27@11.176,56.007 11.239,56.07 24.447,56.07 v1(24.511,56.134) ; v1(24.384,43.434) 24.447,43.497 166.688,43.497 v1(166.751,43.561) ; v1(166.751,29.464) RS6.1@166.751,30.988
  Bottom Layer w0.254: v1(24.384,43.434) 24.447,43.497 24.447,56.07 v1(24.511,56.134) ; v1(166.751,29.464) v1(166.751,43.561)
RAS_TXD2: JP7.7 RS7.1 | length 233.5
  Top Layer w0.254: v1(3.048,31.877) 9.906,31.877 JP7.7@11.176,30.607 ; v1(191.897,1.016) RS7.1@191.897,6.604
  Bottom Layer w0.254: v1(3.048,31.877) 3.048,16.994 2.921,16.867 2.921,2.159 4.064,1.016 v1(191.897,1.016)
RAS_TXD3: JP7.24
RAS_TXD4: JP7.32
RF_ANT: C16.2 QM1.35 R29.1 | length 6
  Top Layer w0.254: QM1.35@198.247,31.621 201.547,31.621 R29.1@201.549,31.623 C16.2@201.549,28.956
RFM_RESET: U6.1
RFM_SS: RS14.3 U6.15 | length 17.4
  Top Layer w0.254: v4(145.034,22.987) 153.703,22.987 U6.15@153.736,22.954 ; RS14.3@145.034,28.829 v1(145.034,30.226)
  Bottom Layer w0.254: v4(145.034,22.987) v1(145.034,30.226)
RI: QM1.20
RTS: QM1.23
RXD_AUX: QM1.28
SIM_DATA: QM1.11 R31.1 | length 10
  Top Layer w0.254: QM1.11@182.947,20.621 186.102,20.621 186.675,21.194 v1(186.675,26.162)
  Bottom Layer w0.254: R31.1@185.674,26.289 185.801,26.162 v1(186.675,26.162)
SIM_GND: "Sim Holder1.C5" C18.1 QM1.10 | length 42.7
  Top Layer w0.254: v1(178.435,35.433) 178.435,22.098 178.812,21.721 QM1.10@182.947,21.721
  Bottom Layer w0.254: v1(178.435,35.433) v1(184.404,35.433) ; C18.1@185.674,35.433 v1(184.404,35.433) ; 191.982,32.487 191.982,38.396 191.008,39.37 185.039,39.37 184.404,38.735 v1(184.404,35.433)
SIM_RST: QM1.12 R30.1 | length 16.9
  Top Layer w0.254: QM1.12@182.947,19.521 182.984,19.558 186.69,19.558 187.706,20.574 187.706,29.83 v1(186.675,30.861)
  Bottom Layer w0.254: R30.1@185.674,30.861 v1(186.675,30.861)
SIM_SCK: QM1.13 R32.1 | length 6
  Top Layer w0.254: QM1.13@182.947,18.421 182.95,18.418 185.671,18.418 v1(185.674,18.415)
  Bottom Layer w0.254: v1(185.674,18.415) R32.1@185.674,21.717
SIM_VDD: "Sim Holder1.C1" C18.2 C21.2 IC1.3 QM1.14 | length 43.4
  Top Layer w0.254: v1(178.689,16.637) 185.991,16.637 186.197,16.431 QM1.14@186.197,16.421
  Bottom Layer w0.254: v1(178.689,16.637) 178.751,16.699 178.751,27.83 179.303,28.382 179.853,28.382 179.951,28.48 179.951,33.901 180.34,34.29 186.817,34.29 187.452,34.925 C18.2@187.96,35.433 ; C21.2@187.96,37.719 C18.2@187.96,35.433 ; 191.982,31.217 190.525,31.217 189.484,32.258 189.484,33.909 188.468,34.925 C18.2@187.96,35.433
SPK1+: QM1.5
SPK1-: QM1.6
TXD_AUX: QM1.29
VBAT: C12.1 C13.2 C14.2 C15.2 D2.2 QM1.42 QM1.43 SW3.1 | length 60.3
  Top Layer w0.5: v1(177.419,38.227) 177.42,38.228 188.256,38.228 ; v1(178.689,13.97) 186.936,13.97 188.385,12.521 SW3.1@188.468,12.521
  Top Layer w1: QM1.42@188.247,33.771 C12.1@188.247,36.957 ; C12.1@188.344,36.957 188.256,37.045 188.256,38.228 188.256,39.412 C13.2@188.341,39.497 C15.2@191.516,39.497 ; C14.2@191.516,37.084 191.53,37.098 191.53,39.497 D2.2@191.53,42.418
  Bottom Layer w0.5: v1(177.419,38.227) 177.419,15.24 v1(178.689,13.97)
VDD_EXT: QM1.24
ZIGBEE_RESET: U5.B1
ZIGBEE_RXD: RS6.3 U5.B6 | length 22.2
  Top Layer w0.254: U5.B6@160.147,17.653 160.211,17.716 165.163,17.716 v1(165.227,17.78) ; v1(165.227,33.274) RS6.3@166.751,33.274
  Bottom Layer w0.254: v1(165.227,17.78) v1(165.227,33.274)
ZIGBEE_TXD: RS4.3 U5.B5 | length 26.2
  Top Layer w0.254: U5.B5@160.147,16.383 160.21,16.319 167.957,16.319 v1(168.021,16.256) ; v1(168.036,33.274) RS4.3@169.418,33.274
  Bottom Layer w0.254: v1(168.021,16.256) 168.021,33.132 v1@168.036,33.147
pads on no net: "Sim Holder1.C6" "Sim Holder1.CD" "Sim Holder1.GND" H1.MH H2.MH H3.MH H4.MH H5.MH H6.MH H7.MH H8.MH IC1.1 IC3.4 QM1.1 QM1.2 QM1.8 QM1.9 QM1.15 QM1.25 QM1.26 QM1.44 RA1.4 U3.4 U3.5 U3.17 U3.18 U3.19 U3.20 U3.21 U3.22 U3.32 U6.16

## Polygon pours and split planes (outlines as drawn)
GND on Top Layer "GND_L01_P000" (solid, remove dead copper, pour order 0): 0.839,-0.14 ccw(c0.861,0.06) 0.938,-0.125 209.068,-0.125 ccw(c209.097,0.073) 209.086,-0.127 ccw(c209.149,1.014) 209.24,-0.125 209.326,-0.125 ccw(c209.326,0.075) 209.437,-0.092 ccw(c209.149,1.014) 210.285,0.887 ccw(c210.086,0.91) 210.286,0.91 ccw(c210.086,0.91) 210.261,1.007 210.261,101.335 ccw(c210.061,101.335) 210.201,101.478 ccw(c209.106,101.148) 209.427,102.245 ccw(c209.321,102.075) 209.321,102.275 209.294,102.275 ccw(c209.107,101.15) 209.233,102.284 ccw(c209.211,102.085) 209.15,102.275 0.701,102.275 ccw(c0.701,102.075) 0.544,102.2 ccw(c0.948,101.13) -0.159,101.416 ccw(c0.011,101.31) -0.189,101.31 -0.189,1.06 ccw(c0.011,1.06) -0.178,0.992 ccw(c0.966,0.997)
GND on Bottom Layer "GND_L02_P001" (solid, remove dead copper, pour order 1): 0.839,-0.14 ccw(c0.861,0.06) 0.938,-0.125 209.068,-0.125 ccw(c209.097,0.073) 209.086,-0.127 ccw(c209.149,1.014) 209.24,-0.125 209.326,-0.125 ccw(c209.326,0.075) 209.437,-0.092 ccw(c209.149,1.014) 210.285,0.887 ccw(c210.086,0.91) 210.286,0.91 ccw(c210.086,0.91) 210.261,1.007 210.261,101.335 ccw(c210.061,101.335) 210.201,101.478 ccw(c209.106,101.148) 209.427,102.245 ccw(c209.321,102.075) 209.321,102.275 209.294,102.275 ccw(c209.107,101.15) 209.233,102.284 ccw(c209.211,102.085) 209.15,102.275 0.701,102.275 ccw(c0.701,102.075) 0.544,102.2 ccw(c0.948,101.13) -0.159,101.416 ccw(c0.011,101.31) -0.189,101.31 -0.189,1.06 ccw(c0.011,1.06) -0.178,0.992 ccw(c0.966,0.997)

## Keep-outs
Keep-Out Layer:
  lines w0.4: 0.011,1.06 0.011,101.31 ; 0.011,101.235 cw(c0.948,101.13) 1,102.071 ; 0.052,0.989 ccw(c0.994,0.937) 0.889,0 ; 0.701,102.075 209.321,102.075 ; 0.911,0.075 209.326,0.075 ; 209.097,0.073 ccw(c209.149,1.014) 210.086,0.91 ; 209.211,102.085 cw(c209.106,101.148) 210.048,101.096 ; 210.061,0.86 210.061,101.335

## Other copper
Top Layer:
  rectangle net VBAT: 186.944,32.385 188.722,34.925

## Silkscreen, mask and mechanical layers (free items; w line width, h text height)
Top Overlay:
  lines w1: 7.62,85.598 9.017,85.598 9.779,84.836 9.779,74.803 ; 7.668,76.732 9.7,74.7 ; 9.827,74.7 11.732,76.605 ; 9.889,84.819 10.651,85.581 12.048,85.581
  text "GND" at 200.787,99.088 h2.3
  text "B" at 82.423,99.06 h2.3
  text "A" at 87.249,99.069 h2.3
  text "12V" at 195.58,99.06 h2.3
  text "GND" at 166.37,85.09 h1.3
  text "GND" at 205.994,85.09 h1.3
  text "40" at 4.826,70.763 h2
  text "ESP32" at 85.494,64.809 h1.3
  text "+12" at 206.121,62.865 h1.3
  text "+5" at 166.878,62.738 h1.3
  text "+12" at 160.02,61.849 h1.3
  text "+4" at 180.848,61.849 h1.3
  text "+12" at 185.674,61.849 h1.3
  text "+3.3" at 206.121,61.722 h1.3
  text "RASPBERRY" at 83.439,54.991 h1.3
  text "RO" at 92.71,54.991 h1.3
  text "RE" at 95.631,54.991 h1.3
  text "DE" at 98.552,54.991 h1.3
  text "DI" at 101.6,54.991 h1.3
  text "GND" at 159.766,43.307 h1.3
  text "GND" at 206.121,43.307 h1.3
  text "ESP32" at 166.266,37.123 h1.3
  text "RASPBERRY" at 164.211,28.575 h1.3
  text "ESP32" at 126.769,28.36 h1.3
  text "ESP32" at 148.867,28.36 h1.3
  text "RASPBERRY" at 111.827,28.194 h1.3
  text "RASPBERRY" at 133.925,28.194 h1.3
  text "TX  RX   IO0   EN  GND 3.3" at 87.907,27.977 h1.3
  text "1" at 13.081,22.225 h2
  text "SmartHome Hub" at 34.163,6.525 h4
  text "Revision1.0" at 34.544,3.338 h3
Bottom Overlay:
  lines w0.254: 86.995,37.973 86.995,37.211 93.345,37.211 93.345,37.973 ; 86.995,40.132 86.995,41.021 93.345,41.021 93.345,40.259 ; 88.521,39.65 88.521,40.412 92.077,40.412 92.077,39.65 ; 89.664,38.126 91.061,38.126 ; 90.299,38.634 90.299,39.269 ; 90.299,39.777 90.299,40.412 ; 97.663,37.973 97.663,37.211 104.013,37.211 104.013,37.973 ; 97.663,40.132 97.663,41.021 104.013,41.021 104.013,40.259 ; 99.185,38.709 99.185,37.947 102.741,37.947 102.741,38.709 ; 100.201,40.233 101.598,40.233 ; 100.963,37.947 100.963,38.582 ; 100.963,39.09 100.963,39.725 ; 187.198,9.271 187.833,9.271 ; 187.325,12.446 186.563,12.446 186.563,6.096 187.452,6.096 ; 187.96,7.493 187.198,7.493 187.198,11.049 187.96,11.049 ; 188.341,9.271 188.976,9.271 ; 189.484,8.636 189.484,10.033 ; 189.611,6.096 190.373,6.096 190.373,12.446 189.611,12.446 ; 87.757,29.21 103.124,29.21 103.124,31.75 87.757,31.75 87.757,29.21 ; 90.297,88.011 90.297,101.219 105.664,101.219 105.664,88.011 90.297,88.011 ; 107.95,88.011 107.95,101.219 123.19,101.219 123.19,88.011 107.95,88.011 ; 125.349,88.011 125.349,101.219 140.589,101.219 140.589,88.011 125.349,88.011 ; 142.875,88.011 142.875,101.219 158.115,101.219 158.115,88.011 142.875,88.011 ; 159.766,44.704 159.766,49.784 162.306,49.784 162.306,44.704 159.766,44.704 ; 159.766,56.134 162.306,56.134 162.306,61.214 159.766,61.214 159.766,56.388 159.766,56.134 ; 160.401,88.011 160.401,101.219 175.641,101.219 175.641,88.011 160.401,88.011 ; 166.243,64.135 166.243,66.548 168.783,66.548 168.783,64.135 166.243,64.135 ; 166.243,82.042 166.243,84.455 168.783,84.455 168.783,82.042 166.243,82.042 ; 176.022,64.389 176.022,69.215 176.784,69.215 176.784,68.326 184.912,68.326 184.912,69.215 185.674,69.215 185.674,64.389 176.022,64.389 ; 177.927,88.011 193.167,88.011 193.167,101.219 177.927,101.219 177.927,88.011 ; 180.213,44.704 182.753,44.704 182.753,49.784 180.213,49.784 180.213,44.704 ; 180.34,56.134 180.34,61.214 182.88,61.214 182.88,56.134 180.34,56.134 ; 185.547,44.704 188.087,44.704 188.087,49.784 185.547,49.784 185.547,44.704 ; 185.547,56.134 188.087,56.134 188.087,61.214 185.547,61.214 185.547,56.134 ; 205.994,44.704 208.534,44.704 208.534,49.784 205.994,49.784 205.994,44.704 ; 205.994,64.135 208.534,64.135 208.534,66.675 205.994,66.675 205.994,64.135 ; 205.994,82.042 208.534,82.042 208.534,84.455 205.994,84.455 205.994,82.042 ; 206.121,56.134 208.661,56.134 208.661,61.214 206.121,61.214 206.121,56.134

## Text inside footprints (layer, text, board x,y; h text height)
H1: Top Overlay "2.8" at 201.168,7.789 h1.3 r45
H2: Top Overlay "2.8" at 11.168,7.789 h1.3 r45
H3: Top Overlay "2.8" at 24.511,73.533 h1.3 r45
H4: Top Overlay "2.8" at 73.533,15.367 h1.3 r45
H5: Top Overlay "2.8" at 201.168,89.789 h1.3 r45
H6: Top Overlay "2.8" at 11.168,89.789 h1.3 r45
H7: Top Overlay "2.8" at 73.66,73.533 h1.3 r45
H8: Top Overlay "2.8" at 24.511,15.367 h1.3 r45
U3: Mechanical 4 "ANTENNA" at 100.973,5.019 h1.3 r180; Mechanical 4 "ANTENNA" at 100.973,5.019 h1.3 r180